# Altium PCB Evaluation Board.PcbDoc (part 16 of 22) (continued)
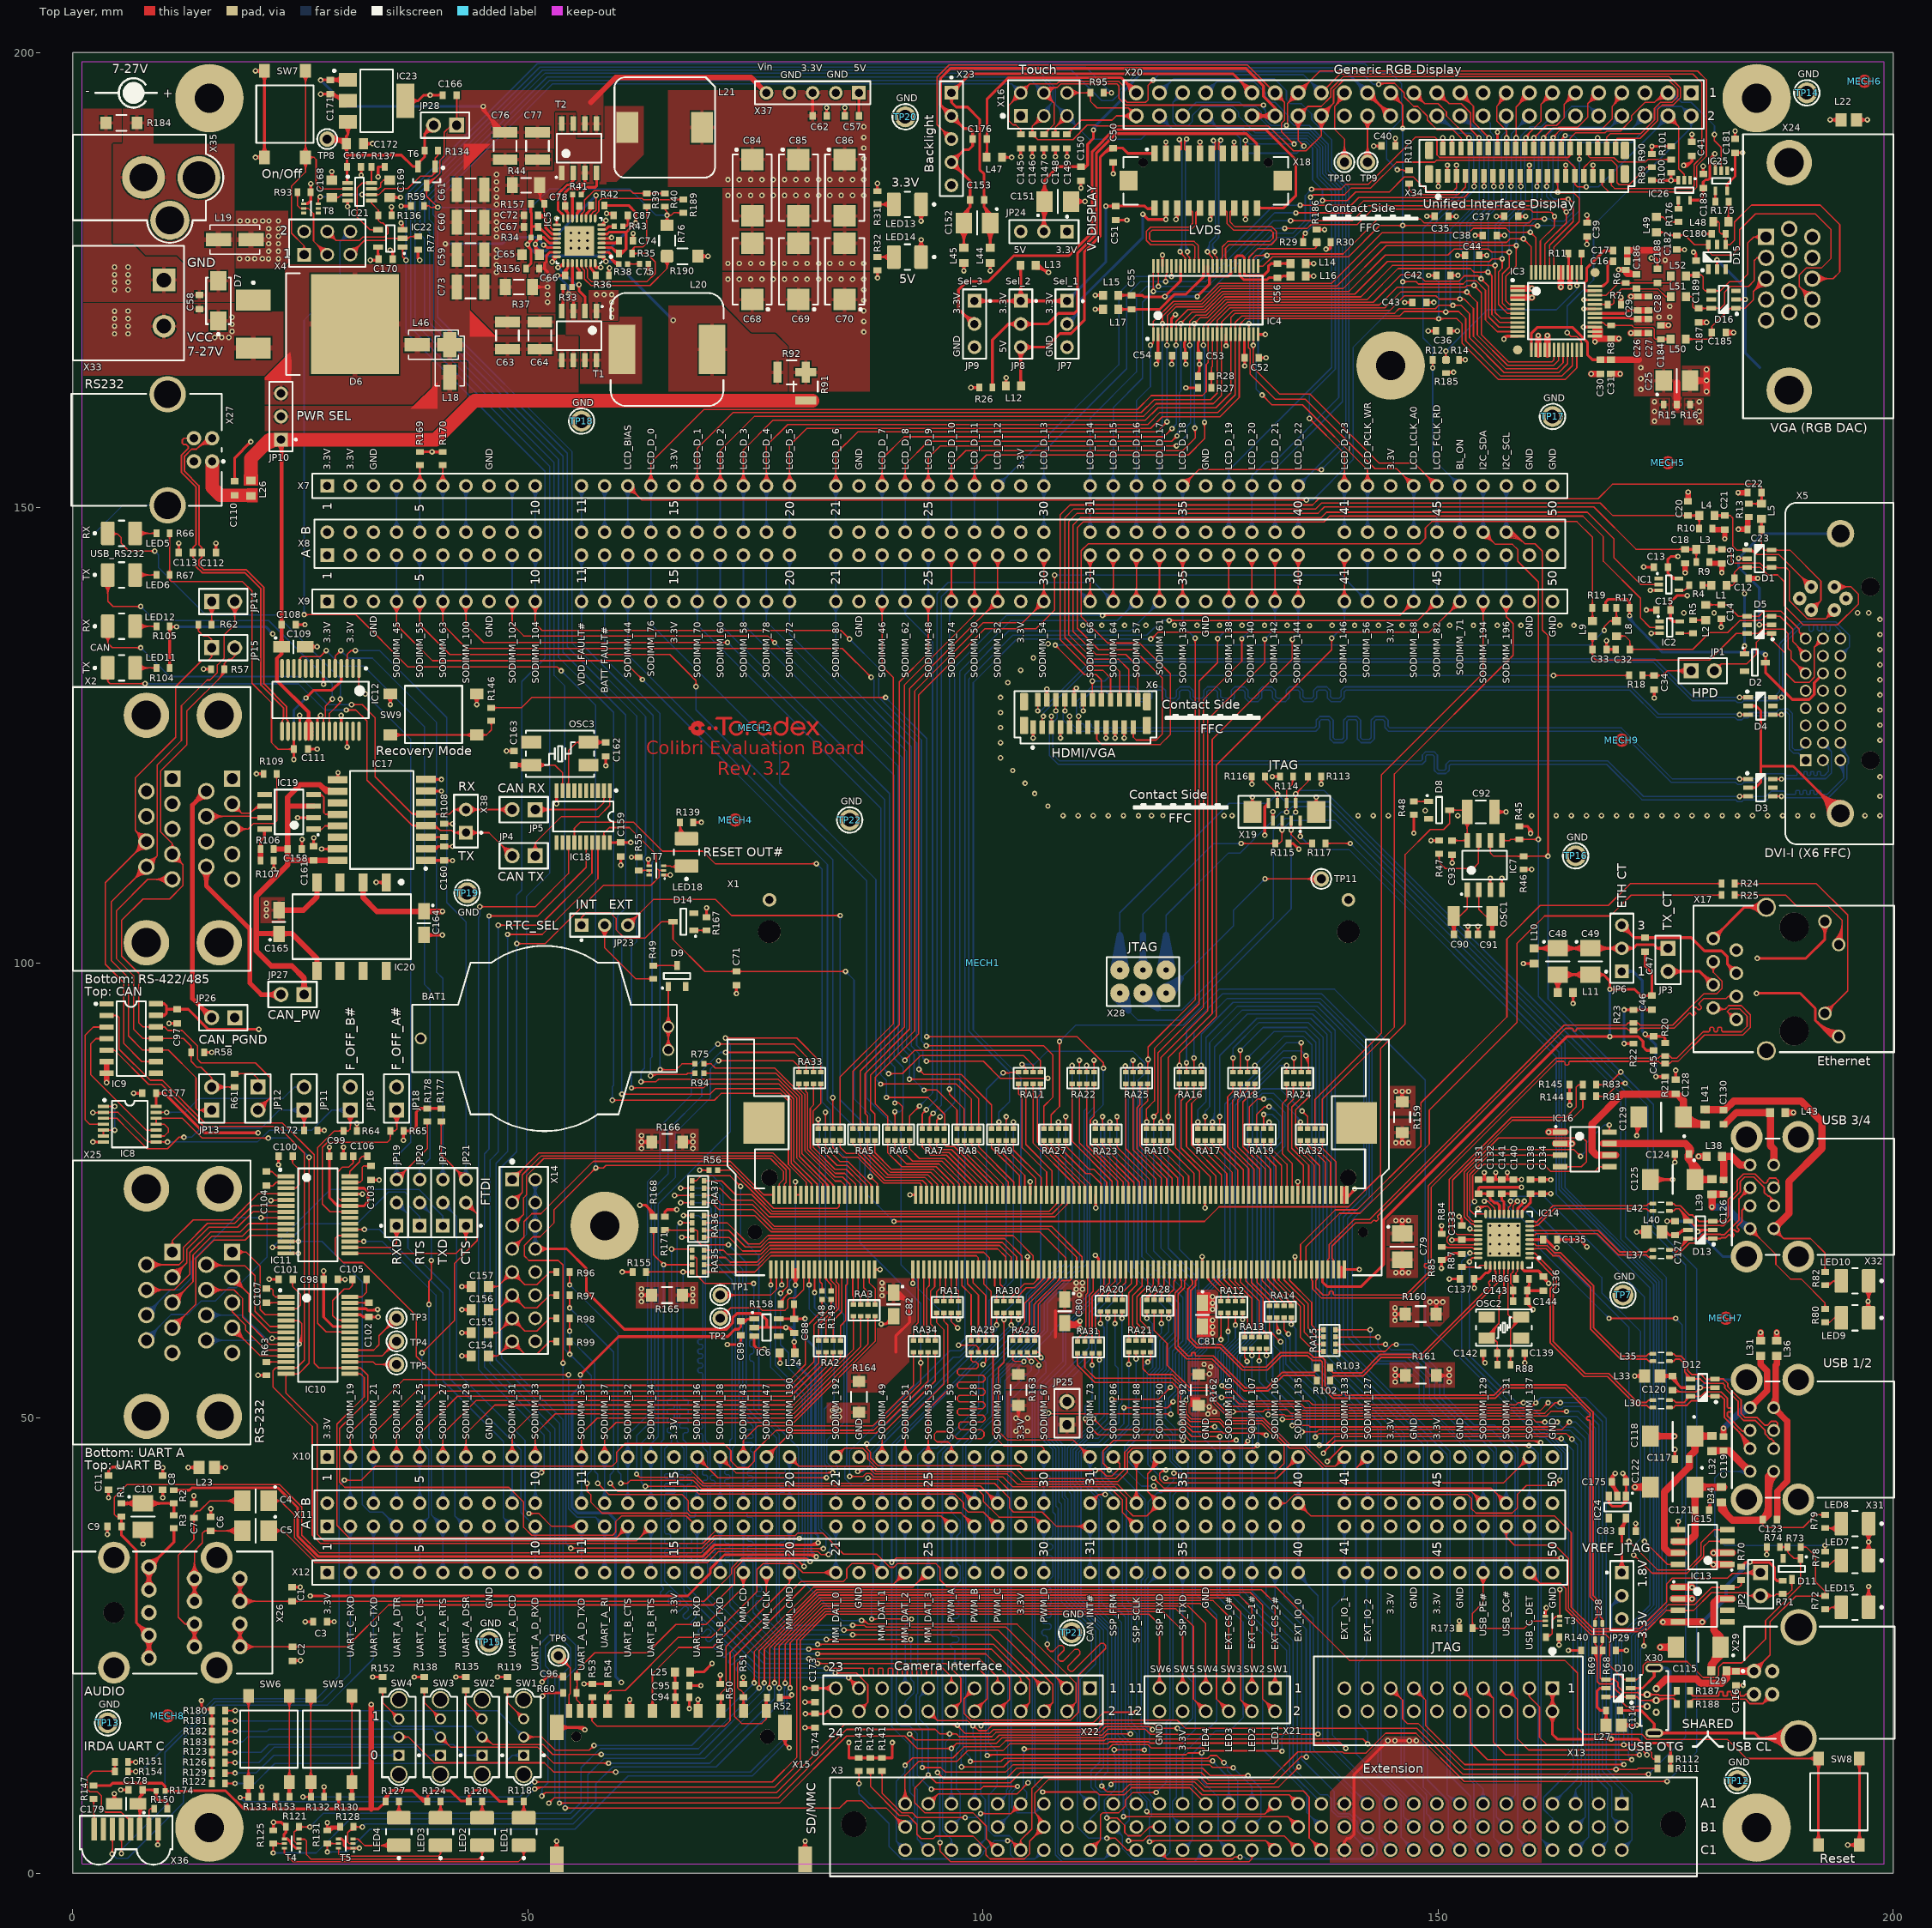
[diagram p0: Top Layer view]
## Nets (pads, with @x,y where several pads share a name; then routed paths per layer and width w, separated by ;. In a path a pad name is that pad's centre, name@x,y a point inside that pad or via, vN(x,y) a via of type N, cw(c..) or ccw(c..) an arc to the next point about the centre after c; other vN are vias at no path point) (continued)
SODIMM_60: RA6.7 X8.A17 X9.17 | length 91.6
  Top Layer w0.15: v1(90.297,84.607) 90.322,84.633 90.727,84.633 ; v1@90.469,84.753 ccw(c90.727,84.97) 90.727,84.633 ; v1@90.493,84.496 cw(c90.727,84.364) 90.727,84.633 ; RA6.7@90.986,81.916 ccw(c90.687,82.215) 91.11,82.215 ccw(c91.532,82.215) RA6.7@91.233,81.916 ; RA6.7@91.11,81.793 91.11,84.25 90.727,84.633
  Bottom Layer w0.15: X9.17@70.643,139.223 cw(c69.49,138.07) 71.12,138.07 cw(c72.75,138.07) X9.17@71.597,139.223 ; X9.17@70.643,140.177 ccw(c69.49,141.33) 71.12,141.33 ccw(c72.75,141.33) X9.17@71.597,140.177 ; X8.A17@70.643,144.303 cw(c69.49,143.15) 71.12,143.15 cw(c72.75,143.15) X8.A17@71.597,144.303 ; X9.17@70.749,139.329 cw(c69.853,138.433) 71.12,138.433 cw(c72.387,138.433) X9.17@71.491,139.329 ; X9.17@70.749,140.071 ccw(c69.853,140.967) 71.12,140.967 ccw(c72.387,140.967) X9.17@71.491,140.071 ; X8.A17@70.749,144.409 cw(c69.853,143.513) 71.12,143.513 cw(c72.387,143.513) X8.A17@71.491,144.409 ; X9.17@70.855,139.435 cw(c70.215,138.795) 71.12,138.795 cw(c72.025,138.795) X9.17@71.385,139.435 ; X9.17@70.855,139.965 ccw(c70.215,140.605) 71.12,140.605 ccw(c72.025,140.605) X9.17@71.385,139.965 ; X8.A17@70.855,144.515 cw(c70.215,143.875) 71.12,143.875 cw(c72.025,143.875) X8.A17@71.385,144.515 ; X8.A17@71.12,144.78 X9.17@71.12,139.7 71.12,137.185 89.7,118.605 89.7,89.15 90.3,88.55 90.3,84.61 v1(90.297,84.607) ; v1@90.138,84.766 ccw(c89.747,85.158) 90.3,85.158 ; 90.3,85.143 ccw(c90.833,85.143) v1@90.456,84.766
SODIMM_60_S: RA6.3 X1.60 | length 11.8
  Top Layer w0.15: RA6.3@90.986,80.369 cw(c90.687,80.07) 91.11,80.07 cw(c91.532,80.07) RA6.3@91.233,80.369 ; RA6.3@91.11,80.493 91.11,79.35 92.248,78.211 95.474,78.211 97.982,75.703 X1.60@97.982,74.516 ; X1.60@97.911,75.412 ccw(c97.741,75.583) 97.982,75.583 ccw(c98.223,75.583) X1.60@98.053,75.412
SODIMM_61: RA29.7 X8.A34 X9.34 | length 126.8
  Top Layer w0.15: v1(97.3,58) 99.201,58 99.492,57.709 RA29.7@99.492,57.222 ; v1@97.459,57.841 cw(c97.843,57.457) 97.843,58 cw(c97.843,58.543) v1@97.459,58.159 ; RA29.7@99.368,57.345 ccw(c99.07,57.644) 99.492,57.644 ccw(c99.914,57.644) RA29.7@99.616,57.345 ; X9.34@118.903,140.177 ccw(c117.75,141.33) 119.38,141.33 ccw(c121.01,141.33) X9.34@119.857,140.177 ; X8.A34@118.903,144.303 cw(c117.75,143.15) 119.38,143.15 cw(c121.01,143.15) X8.A34@119.857,144.303 ; X9.34@119.009,140.071 ccw(c118.113,140.967) 119.38,140.967 ccw(c120.647,140.967) X9.34@119.751,140.071 ; X8.A34@119.009,144.409 cw(c118.113,143.513) 119.38,143.513 cw(c120.647,143.513) X8.A34@119.751,144.409 ; X9.34@119.115,139.965 ccw(c118.475,140.605) 119.38,140.605 ccw(c120.285,140.605) X9.34@119.645,139.965 ; X8.A34@119.115,144.515 cw(c118.475,143.875) 119.38,143.875 cw(c120.285,143.875) X8.A34@119.645,144.515 ; X9.34@119.38,139.7 X8.A34@119.38,144.78
  Bottom Layer w0.15: v1(97.3,58) 98,58.7 98,131.65 102.825,136.475 116.183,136.475 X9.34@119.38,139.672 ; v1@97.3,58.225 ccw(c97.3,58.768) 97.684,58.384 ccw(c98.068,58) v1@97.525,58 ; 118.208,138.5 ccw(c117.007,139.7) X9.34@118.705,139.7 ; 118.276,138.568 cw(c119.38,137.463) X9.34@119.38,139.025 ; 118.464,138.756 ccw(c117.519,139.7) X9.34@118.855,139.7 ; 118.532,138.824 cw(c119.38,137.976) X9.34@119.38,139.175 ; 118.72,139.012 ccw(c118.032,139.7) X9.34@119.005,139.7 ; 118.788,139.08 cw(c119.38,138.488) X9.34@119.38,139.325
SODIMM_61_S: RA29.3 X1.61 | length 9.3
  Top Layer w0.15: X1.61@98.211,65.421 cw(c98.041,65.25) 98.282,65.25 cw(c98.523,65.25) X1.61@98.353,65.421 ; X1.61@98.282,66.316 98.282,64.735 99.492,63.525 RA29.3@99.492,58.522 ; RA29.3@99.368,58.645 ccw(c99.07,58.944) 99.492,58.944 ccw(c99.914,58.944) RA29.3@99.616,58.645
SODIMM_62: RA6.8 X8.A24 X9.24 | length 84.3
  Top Layer w0.15: RA6.8@91.786,81.916 ccw(c91.487,82.215) 91.91,82.215 ccw(c92.332,82.215) RA6.8@92.033,81.916 ; RA6.8@91.91,81.793 91.91,83.16 93.021,84.271 v1(93.025,84.271) ; 92.634,83.884 cw(c93.025,83.493) v1@93.025,84.046 ; 92.644,83.894 ccw(c92.266,84.271) v1@92.8,84.271
  Bottom Layer w0.15: X9.24@90.963,140.177 ccw(c89.81,141.33) 91.44,141.33 ccw(c93.07,141.33) X9.24@91.917,140.177 ; X8.A24@90.963,144.303 cw(c89.81,143.15) 91.44,143.15 cw(c93.07,143.15) X8.A24@91.917,144.303 ; X9.24@91.021,139.171 cw(c90.332,138.303) 91.44,138.303 ; X9.24@91.069,140.071 ccw(c90.173,140.967) 91.44,140.967 ccw(c92.707,140.967) X9.24@91.811,140.071 ; X8.A24@91.069,144.409 cw(c90.173,143.513) 91.44,143.513 cw(c92.707,143.513) X8.A24@91.811,144.409 ; X9.24@91.114,139.289 cw(c90.578,138.614) 91.44,138.614 cw(c92.302,138.614) X9.24@91.766,139.289 ; X9.24@91.175,139.965 ccw(c90.535,140.605) 91.44,140.605 ccw(c92.345,140.605) X9.24@91.705,139.965 ; X8.A24@91.175,144.515 cw(c90.535,143.875) 91.44,143.875 cw(c92.345,143.875) X8.A24@91.705,144.515 ; X9.24@91.207,139.406 cw(c90.824,138.924) 91.44,138.924 cw(c92.056,138.924) X9.24@91.673,139.406 ; X8.A24@91.44,144.78 X9.24@91.44,139.7 91.44,138.303 ; X9.24@91.859,139.171 ccw(c92.548,138.303) 91.44,138.303 ; v1(93.025,84.271) 94.45,85.696 94.45,135.293 91.44,138.303 ; v1@93.025,84.496 ccw(c93.025,85.039) 93.409,84.655 ccw(c93.793,84.271) v1@93.25,84.271
SODIMM_62_S: RA6.4 X1.62 | length 11.4
  Top Layer w0.15: RA6.4@91.786,80.369 cw(c91.487,80.07) 91.91,80.07 cw(c92.332,80.07) RA6.4@92.033,80.369 ; RA6.4@91.91,80.493 91.91,79.617 93.015,78.511 95.758,78.511 98.582,75.687 X1.62@98.582,74.516 ; X1.62@98.511,75.412 ccw(c98.341,75.583) 98.582,75.583 ccw(c98.823,75.583) X1.62@98.653,75.412
SODIMM_63: RA29.6 X8.A6 X9.6 | length 176.1
  Top Layer w0.15: X9.6@40.163,139.223 cw(c39.01,138.07) 40.64,138.07 cw(c42.27,138.07) X9.6@41.117,139.223 ; X9.6@40.269,139.329 cw(c39.373,138.433) 40.64,138.433 cw(c41.907,138.433) X9.6@41.011,139.329 ; X9.6@40.375,139.435 cw(c39.735,138.795) 40.64,138.795 cw(c41.545,138.795) X9.6@40.905,139.435 ; X9.6@40.64,139.7 40.64,137.16 43.25,134.55 84.525,134.55 v1(87.7,131.375) ; v1@87.475,131.375 ccw(c86.932,131.375) 87.316,131.759 ccw(c87.7,132.143) v1@87.7,131.6 ; v1(93.775,89.2) 100.025,89.2 101.9,87.325 v1(107.125,87.325) ; v1@93.934,89.041 cw(c94.318,88.657) 94.318,89.2 cw(c94.318,89.743) v1@93.934,89.359 ; v1(100,55.875) 100.292,56.167 ; v1@100.047,56.095 ccw(c100.104,56.355) 100.292,56.167 ; RA29.6@100.168,57.098 cw(c99.87,56.799) 100.292,56.799 cw(c100.714,56.799) RA29.6@100.416,57.098 ; v1@100.22,55.922 cw(c100.48,55.979) 100.292,56.167 ; RA29.6@100.292,57.222 100.292,56.167 ; v1@106.966,87.166 ccw(c106.582,86.782) 106.582,87.325 ccw(c106.582,87.868) v1@106.966,87.484
  Bottom Layer w0.15: X9.6@40.163,140.177 ccw(c39.01,141.33) 40.64,141.33 ccw(c42.27,141.33) X9.6@41.117,140.177 ; X8.A6@40.163,144.303 cw(c39.01,143.15) 40.64,143.15 cw(c42.27,143.15) X8.A6@41.117,144.303 ; X9.6@40.269,140.071 ccw(c39.373,140.967) 40.64,140.967 ccw(c41.907,140.967) X9.6@41.011,140.071 ; X8.A6@40.269,144.409 cw(c39.373,143.513) 40.64,143.513 cw(c41.907,143.513) X8.A6@41.011,144.409 ; X9.6@40.375,139.965 ccw(c39.735,140.605) 40.64,140.605 ccw(c41.545,140.605) X9.6@40.905,139.965 ; X8.A6@40.375,144.515 cw(c39.735,143.875) 40.64,143.875 cw(c41.545,143.875) X8.A6@40.905,144.515 ; X9.6@40.64,139.7 X8.A6@40.64,144.78 ; v1(87.7,131.375) 88,131.075 88,128.875 92.7,124.175 92.7,90.95 93.375,90.275 93.375,89.6 v1(93.775,89.2) ; v1@93.55,89.2 ccw(c93.007,89.2) 93.391,89.584 ccw(c93.775,89.968) v1@93.775,89.425 ; v1(100,55.875) 104.75,60.625 104.75,63.55 106.325,65.125 106.325,82.137 106.155,82.307 106.155,86.355 v1(107.125,87.325) ; v1@100,56.1 ccw(c100,56.643) 100.384,56.259 ccw(c100.768,55.875) v1@100.225,55.875 ; v1@106.9,87.325 cw(c106.357,87.325) 106.741,86.941 cw(c107.125,86.557) v1@107.125,87.1
SODIMM_63_S: RA29.2 X1.63 | length 9.4
  Top Layer w0.15: X1.63@98.811,65.421 cw(c98.641,65.25) 98.882,65.25 cw(c99.123,65.25) X1.63@98.953,65.421 ; X1.63@98.882,66.316 98.882,64.872 100.292,63.462 RA29.2@100.292,58.522 ; RA29.2@100.168,58.645 ccw(c99.87,58.944) 100.292,58.944 ccw(c100.714,58.944) RA29.2@100.416,58.645
SODIMM_64: RA7.5 X8.A32 X9.32 | length 105.6
  Top Layer w0.15: RA7.5@93.196,81.916 ccw(c92.897,82.215) 93.32,82.215 ccw(c93.742,82.215) RA7.5@93.443,81.916 ; RA7.5@93.32,81.793 93.32,83.42 v1(93.775,83.875) ; v1@93.55,83.875 cw(c93.007,83.875) 93.391,83.491 cw(c93.775,83.107) v1@93.775,83.65 ; X9.32@113.823,140.177 ccw(c112.67,141.33) 114.3,141.33 ccw(c115.93,141.33) X9.32@114.777,140.177 ; X8.A32@113.823,144.303 cw(c112.67,143.15) 114.3,143.15 cw(c115.93,143.15) X8.A32@114.777,144.303 ; X9.32@113.929,140.071 ccw(c113.033,140.967) 114.3,140.967 ccw(c115.567,140.967) X9.32@114.671,140.071 ; X8.A32@113.929,144.409 cw(c113.033,143.513) 114.3,143.513 cw(c115.567,143.513) X8.A32@114.671,144.409 ; X9.32@114.035,139.965 ccw(c113.395,140.605) 114.3,140.605 ccw(c115.205,140.605) X9.32@114.565,139.965 ; X8.A32@114.035,144.515 cw(c113.395,143.875) 114.3,143.875 cw(c115.205,143.875) X8.A32@114.565,144.515 ; X9.32@114.3,139.7 X8.A32@114.3,144.78
  Bottom Layer w0.15: v1(93.775,83.875) 94.955,85.055 94.955,140.58 96.175,141.8 112.2,141.8 X9.32@114.3,139.7 ; v1@93.775,84.1 ccw(c93.775,84.643) 94.159,84.259 ccw(c94.543,83.875) v1@94,83.875 ; X9.32@113.625,139.7 ccw(c111.995,139.7) 113.148,140.852 ccw(c114.3,142.005) X9.32@114.3,140.375 ; X9.32@113.775,139.7 ccw(c112.508,139.7) 113.404,140.596 ccw(c114.3,141.492) X9.32@114.3,140.225 ; X9.32@113.925,139.7 ccw(c113.02,139.7) 113.66,140.34 ccw(c114.3,140.98) X9.32@114.3,140.075
SODIMM_64_S: RA7.1 X1.64 | length 10.5
  Top Layer w0.15: RA7.1@93.196,80.369 cw(c92.897,80.07) 93.32,80.07 cw(c93.742,80.07) RA7.1@93.443,80.369 ; RA7.1@93.32,80.493 93.32,79.756 94.209,78.867 95.987,78.867 99.182,75.672 X1.64@99.182,74.516 ; X1.64@99.111,75.412 ccw(c98.941,75.583) 99.182,75.583 ccw(c99.423,75.583) X1.64@99.253,75.412
SODIMM_65_S: RA35.1 X1.65 | length 33.3
  Top Layer w0.15: RA35.1@69.342,66.04 74.905,66.04 76.69,67.825 99.256,67.825 99.482,67.599 X1.65@99.482,66.316 ; RA35.1@69.466,65.916 cw(c69.764,65.618) 69.764,66.04 cw(c69.764,66.462) RA35.1@69.466,66.164 ; X1.65@99.411,67.212 ccw(c99.241,67.383) 99.482,67.383 ccw(c99.723,67.383) X1.65@99.553,67.212
SODIMM_66: RA7.6 X8.A31 X9.31 | length 101.6
  Top Layer w0.15: RA7.6@93.996,81.916 ccw(c93.697,82.215) 94.12,82.215 ccw(c94.542,82.215) RA7.6@94.243,81.916 ; RA7.6@94.12,81.793 94.12,83.074 v1(94.525,83.479) ; v1@94.3,83.479 cw(c93.757,83.479) 94.141,83.095 cw(c94.525,82.711) v1@94.525,83.254 ; X9.31@111.283,140.177 ccw(c110.13,141.33) 111.76,141.33 ccw(c113.39,141.33) X9.31@112.237,140.177 ; X8.A31@111.283,144.303 cw(c110.13,143.15) 111.76,143.15 cw(c113.39,143.15) X8.A31@112.237,144.303 ; X9.31@111.389,140.071 ccw(c110.493,140.967) 111.76,140.967 ccw(c113.027,140.967) X9.31@112.131,140.071 ; X8.A31@111.389,144.409 cw(c110.493,143.513) 111.76,143.513 cw(c113.027,143.513) X8.A31@112.131,144.409 ; X9.31@111.495,139.965 ccw(c110.855,140.605) 111.76,140.605 ccw(c112.665,140.605) X9.31@112.025,139.965 ; X8.A31@111.495,144.515 cw(c110.855,143.875) 111.76,143.875 cw(c112.665,143.875) X8.A31@112.025,144.515 ; X9.31@111.76,139.7 X8.A31@111.76,144.78
  Bottom Layer w0.15: v1(94.525,83.479) 95.425,84.379 95.425,140.225 96.25,141.05 110.41,141.05 X9.31@111.76,139.7 ; v1@94.525,83.704 ccw(c94.525,84.247) 94.909,83.863 ccw(c95.293,83.479) v1@94.75,83.479 ; X9.31@111.085,139.7 ccw(c109.455,139.7) 110.608,140.852 ccw(c111.76,142.005) X9.31@111.76,140.375 ; X9.31@111.235,139.7 ccw(c109.968,139.7) 110.864,140.596 ccw(c111.76,141.492) X9.31@111.76,140.225 ; X9.31@111.385,139.7 ccw(c110.48,139.7) 111.12,140.34 ccw(c111.76,140.98) X9.31@111.76,140.075
SODIMM_66_S: RA7.2 X1.66 | length 10.2
  Top Layer w0.15: RA7.2@93.996,80.369 cw(c93.697,80.07) 94.12,80.07 cw(c94.542,80.07) RA7.2@94.243,80.369 ; RA7.2@94.12,80.493 94.12,79.87 94.818,79.172 96.266,79.172 99.782,75.656 X1.66@99.782,74.516 ; X1.66@99.711,75.412 ccw(c99.541,75.583) 99.782,75.583 ccw(c100.023,75.583) X1.66@99.853,75.412
SODIMM_67: RA29.5 X10.30 X11.B30 X22.11 | length 109.4
  Top Layer w0.15: X22.11@98.385,20.316 cw(c96.787,20.307) 97.917,19.177 ; X22.11@98.535,20.317 cw(c97.292,20.31) 98.171,19.431 cw(c99.05,18.552) X22.11@99.057,19.795 ; X22.11@98.685,20.318 cw(c97.797,20.313) 98.425,19.685 cw(c99.053,19.057) X22.11@99.058,19.945 ; X22.11@99.056,19.645 ccw(c99.047,18.047) 97.917,19.177 ; X22.11@99.06,20.32 97.917,19.177 ; RA29.5@100.968,57.098 cw(c100.67,56.799) 101.092,56.799 cw(c101.514,56.799) RA29.5@101.216,57.098 ; RA29.5@101.092,57.222 101.092,48.133 102.275,46.95 106.39,46.95 106.68,46.66 ; X10.30@106.464,46.36 ccw(c106.363,46.66) 106.68,46.66 ; X10.30@106.68,45.72 106.68,46.66 ; X10.30@106.896,46.36 cw(c106.997,46.66) 106.68,46.66 ; v1@106.924,24.968 cw(c106.709,24.689) 107.061,24.689 ; v1(107.061,25.146) 107.061,24.689 ; v1@107.198,24.968 ccw(c107.413,24.689) 107.061,24.689 ; 97.917,19.177 97.917,17.544 98.656,16.805 109.624,16.805 110.495,17.676 110.495,21.727 113.459,24.691 113.459,25.018 113.241,25.236 112.915,25.236 109.878,22.199 109.551,22.199 109.333,22.417 109.333,22.743 110.647,24.057 110.647,24.384 110.429,24.601 110.102,24.601 108.789,23.288 108.462,23.288 108.244,23.506 108.244,23.832 108.894,24.482 108.894,24.808 108.676,25.026 108.349,25.026 107.7,24.377 107.373,24.377 107.061,24.689
  Bottom Layer w0.15: X11.B30@106.203,41.117 ccw(c105.05,42.27) 106.68,42.27 ccw(c108.31,42.27) X11.B30@107.157,41.117 ; X10.30@106.215,45.231 cw(c105.181,44.145) 106.68,44.145 cw(c108.179,44.145) X10.30@107.145,45.231 ; X11.B30@106.309,41.011 ccw(c105.413,41.907) 106.68,41.907 ccw(c107.947,41.907) X11.B30@107.051,41.011 ; X10.30@106.318,45.34 cw(c105.514,44.495) 106.68,44.495 cw(c107.846,44.495) X10.30@107.042,45.34 ; X11.B30@106.346,40.053 cw(c106.019,39.479) 106.68,39.479 ; X11.B30@106.415,40.905 ccw(c105.775,41.545) 106.68,41.545 ccw(c107.585,41.545) X11.B30@106.945,40.905 ; X11.B30@106.42,40.184 cw(c106.166,39.737) 106.68,39.737 cw(c107.194,39.737) X11.B30@106.94,40.184 ; X10.30@106.421,45.448 cw(c105.847,44.845) 106.68,44.845 cw(c107.513,44.845) X10.30@106.939,45.448 ; X10.30@106.68,45.72 106.68,43.953 106.872,43.76 107.163,43.76 107.355,43.568 107.355,43.183 107.163,42.99 106.872,42.99 106.68,42.798 X11.B30@106.68,40.64 106.68,39.479 ; v1@106.902,25.305 ccw(c106.518,25.689) 107.061,25.689 ccw(c107.604,25.689) v1@107.22,25.305 ; X11.B30@107.014,40.053 ccw(c107.341,39.479) 106.68,39.479 ; v1(107.061,25.146) 107.061,25.907 106.863,26.105 106.665,26.105 106.467,26.303 106.467,26.567 106.665,26.765 107.29,26.765 107.488,26.963 107.488,27.227 107.29,27.425 106.665,27.425 106.467,27.623 106.467,27.887 106.665,28.085 107.29,28.085 107.488,28.283 107.488,28.547 107.29,28.745 106.665,28.745 106.467,28.943 106.467,29.207 106.665,29.405 107.29,29.405 107.488,29.603 107.488,29.867 107.29,30.065 106.665,30.065 106.467,30.263 106.467,30.527 106.665,30.725 107.29,30.725 107.488,30.923 107.488,31.187 107.061,31.614 107.061,32.022 107.655,32.616 107.655,34.678 107.457,34.876 107.259,34.876 107.061,35.074 107.061,35.338 107.259,35.536 107.457,35.536 107.655,35.734 107.655,35.998 107.457,36.196 107.259,36.196 107.061,36.394 107.061,36.658 107.259,36.856 107.457,36.856 107.655,37.054 107.655,38.504 106.68,39.479
SODIMM_67_S: RA29.1 X1.67 | length 9.3
  Top Layer w0.15: X1.67@100.011,65.421 cw(c99.841,65.25) 100.082,65.25 cw(c100.323,65.25) X1.67@100.153,65.421 ; X1.67@100.082,66.316 100.082,64.713 100.889,63.906 100.889,59.512 101.092,59.309 RA29.1@101.092,58.522 ; RA29.1@100.968,58.645 ccw(c100.67,58.944) 101.092,58.944 ccw(c101.514,58.944) RA29.1@101.216,58.645
SODIMM_68: RA7.7 X8.A44 X9.44 | length 131.9
  Top Layer w0.15: RA7.7@94.796,81.916 ccw(c94.497,82.215) 94.92,82.215 ccw(c95.342,82.215) RA7.7@95.043,81.916 ; RA7.7@94.92,81.793 94.92,82.728 ; v1@95.051,83.071 cw(c94.601,83.046) 94.92,82.728 ; v1@95.263,82.859 ccw(c95.238,82.409) 94.92,82.728 ; v1(95.275,83.083) 94.92,82.728 ; v1(113.125,138.175) 145.795,138.175 X9.44@147.32,139.7 ; v1@113.284,138.016 cw(c113.668,137.632) 113.668,138.175 cw(c113.668,138.718) v1@113.284,138.334 ; X9.44@146.645,139.7 cw(c145.015,139.7) 146.168,138.548 cw(c147.32,137.395) X9.44@147.32,139.025 ; X9.44@146.795,139.7 cw(c145.528,139.7) 146.424,138.804 cw(c147.32,137.908) X9.44@147.32,139.175 ; X9.44@146.945,139.7 cw(c146.04,139.7) 146.68,139.06 cw(c147.32,138.42) X9.44@147.32,139.325
  Bottom Layer w0.15: v1(95.275,83.083) 96.875,84.683 96.875,132.5 102.55,138.175 v1(113.125,138.175) ; v1@95.275,83.308 ccw(c95.275,83.852) 95.66,83.468 ccw(c96.044,83.083) v1@95.5,83.083 ; v1@112.966,138.016 ccw(c112.582,137.632) 112.582,138.175 ccw(c112.582,138.718) v1@112.966,138.334 ; X9.44@146.843,140.177 ccw(c145.69,141.33) 147.32,141.33 ccw(c148.95,141.33) X9.44@147.797,140.177 ; X8.A44@146.843,144.303 cw(c145.69,143.15) 147.32,143.15 cw(c148.95,143.15) X8.A44@147.797,144.303 ; X9.44@146.949,140.071 ccw(c146.053,140.967) 147.32,140.967 ccw(c148.587,140.967) X9.44@147.691,140.071 ; X8.A44@146.949,144.409 cw(c146.053,143.513) 147.32,143.513 cw(c148.587,143.513) X8.A44@147.691,144.409 ; X9.44@147.055,139.965 ccw(c146.415,140.605) 147.32,140.605 ccw(c148.225,140.605) X9.44@147.585,139.965 ; X8.A44@147.055,144.515 cw(c146.415,143.875) 147.32,143.875 cw(c148.225,143.875) X8.A44@147.585,144.515 ; X9.44@147.32,139.7 X8.A44@147.32,144.78
SODIMM_68_S: RA7.3 X1.68 | length 10.1
  Top Layer w0.15: RA7.3@94.796,80.369 cw(c94.497,80.07) 94.92,80.07 cw(c95.342,80.07) RA7.3@95.043,80.369 ; RA7.3@94.92,80.493 94.92,79.807 95.225,79.502 96.545,79.502 100.382,75.665 X1.68@100.382,74.516 ; X1.68@100.311,75.412 ccw(c100.141,75.583) 100.382,75.583 ccw(c100.623,75.583) X1.68@100.453,75.412
SODIMM_69_S: RA35.2 X1.69 | length 34.5
  Top Layer w0.15: RA35.2@69.342,66.84 69.357,66.825 75.265,66.825 76.642,68.202 100.076,68.202 100.682,67.596 X1.69@100.682,66.316 ; RA35.2@69.466,66.716 cw(c69.728,66.454) 69.728,66.825 ; RA35.2@69.466,66.964 ccw(c69.801,67.299) 69.801,66.825 ; X1.69@100.611,67.212 ccw(c100.441,67.383) 100.682,67.383 ccw(c100.923,67.383) X1.69@100.753,67.212
SODIMM_70: RA7.8 X8.A16 X9.16 | length 97.4
  Top Layer w0.15: v1(89.383,85.217) 93.935,85.217 95.8,83.352 95.8,81.746 RA7.8@95.72,81.666 ; v1@89.542,85.058 cw(c89.926,84.674) 89.926,85.217 cw(c89.926,85.76) v1@89.542,85.376 ; RA7.8@95.646,81.916 ccw(c95.273,82.29) 95.8,82.29 ; 95.8,82.141 ccw(c96.118,82.141) RA7.8@95.893,81.916
  Bottom Layer w0.15: X9.16@68.103,139.223 cw(c66.95,138.07) 68.58,138.07 cw(c70.21,138.07) X9.16@69.057,139.223 ; X9.16@68.103,140.177 ccw(c66.95,141.33) 68.58,141.33 ccw(c70.21,141.33) X9.16@69.057,140.177 ; X8.A16@68.103,144.303 cw(c66.95,143.15) 68.58,143.15 cw(c70.21,143.15) X8.A16@69.057,144.303 ; X9.16@68.209,139.329 cw(c67.313,138.433) 68.58,138.433 cw(c69.847,138.433) X9.16@68.951,139.329 ; X9.16@68.209,140.071 ccw(c67.313,140.967) 68.58,140.967 ccw(c69.847,140.967) X9.16@68.951,140.071 ; X8.A16@68.209,144.409 cw(c67.313,143.513) 68.58,143.513 cw(c69.847,143.513) X8.A16@68.951,144.409 ; X9.16@68.315,139.435 cw(c67.675,138.795) 68.58,138.795 cw(c69.485,138.795) X9.16@68.845,139.435 ; X9.16@68.315,139.965 ccw(c67.675,140.605) 68.58,140.605 ccw(c69.485,140.605) X9.16@68.845,139.965 ; X8.A16@68.315,144.515 cw(c67.675,143.875) 68.58,143.875 cw(c69.485,143.875) X8.A16@68.845,144.515 ; X8.A16@68.58,144.78 X9.16@68.58,139.7 68.58,137.185 88.75,117.015 88.75,87.725 89.383,87.092 v1(89.383,85.217) ; v1@89.224,85.376 ccw(c88.839,85.76) 89.383,85.76 ccw(c89.926,85.76) v1@89.542,85.376
SODIMM_70_S: RA7.4 X1.70 | length 9.7
  Top Layer w0.15: RA7.4@95.597,80.368 cw(c95.306,80.074) 95.72,80.074 ; RA7.4@95.72,80.493 95.72,80.074 ; RA7.4@95.843,80.368 ccw(c96.133,80.074) 95.72,80.074 ; X1.70@100.911,75.412 ccw(c100.741,75.583) 100.982,75.583 ccw(c101.223,75.583) X1.70@101.053,75.412 ; X1.70@100.982,74.516 100.982,75.675 96.825,79.832 95.961,79.832 95.72,80.074
SODIMM_71: RA30.8 X8.A46 X9.46 X22.17 | length 220.1
  Top Layer w0.15: v1(87.75,27.915) v1(92.126,27.915) ; v1@87.909,27.756 cw(c88.293,27.371) 88.293,27.915 cw(c88.293,28.458) v1@87.909,28.074 ; v1@91.967,27.756 ccw(c91.583,27.371) 91.583,27.915 ccw(c91.583,28.458) v1@91.967,28.074 ; v1@101.327,60.382 ccw(c100.943,60.767) 101.486,60.767 ccw(c102.029,60.767) v1@101.645,60.382 ; RA30.8@101.362,61.416 cw(c101.064,61.117) 101.486,61.117 cw(c101.908,61.117) RA30.8@101.61,61.416 ; v1(101.486,60.223) RA30.8@101.486,61.54 ; v1(118.425,135.575) 118.5,135.575 119.272,136.347 149.047,136.347 X9.46@152.4,139.7 ; v1@118.425,135.65 ccw(c118.425,136.012) 118.681,135.756 ; v1@118.425,135.8 ccw(c118.425,136.524) 118.937,136.012 ; v1@118.65,135.575 cw(c119.012,135.575) 118.756,135.831 ; X9.46@151.725,139.7 cw(c150.095,139.7) 151.248,138.548 cw(c152.4,137.395) X9.46@152.4,139.025 ; X9.46@151.875,139.7 cw(c150.608,139.7) 151.504,138.804 cw(c152.4,137.908) X9.46@152.4,139.175 ; X9.46@152.025,139.7 cw(c151.12,139.7) 151.76,139.06 cw(c152.4,138.42) X9.46@152.4,139.325
  Bottom Layer w0.15: v1@87.591,28.074 ccw(c87.207,28.458) 87.75,28.458 ccw(c88.293,28.458) v1@87.909,28.074 ; v1(87.75,27.915) 87.75,30.97 87.925,31.145 87.925,46.124 101.486,59.685 ; X22.17@90.963,20.797 ccw(c89.81,21.95) 91.44,21.95 ccw(c93.07,21.95) X22.17@91.917,20.797 ; X22.17@91.069,20.691 ccw(c90.173,21.587) 91.44,21.587 ccw(c92.707,21.587) X22.17@91.811,20.691 ; X22.17@91.175,20.585 ccw(c90.535,21.225) 91.44,21.225 ccw(c92.345,21.225) X22.17@91.705,20.585 ; X22.17@91.44,20.32 91.44,27.229 v1(92.126,27.915) ; v1@91.901,27.915 cw(c91.358,27.915) 91.742,27.531 cw(c92.126,27.146) v1@92.126,27.69 ; v1@101.328,60.063 cw(c100.954,59.685) 101.486,59.685 ; v1@101.33,60.386 ccw(c100.982,60.75) 101.486,60.75 ; v1@101.642,60.386 cw(c101.99,60.75) 101.486,60.75 ; v1@101.644,60.063 ccw(c102.018,59.685) 101.486,59.685 ; v1@118.266,135.416 ccw(c117.882,135.032) 117.882,135.575 ccw(c117.882,136.118) v1@118.266,135.734 ; v1(118.425,135.575) 103.7,135.575 98.924,130.799 98.924,92.626 104.155,87.395 104.155,63.42 101.486,60.75 ; X9.46@151.923,140.177 ccw(c150.77,141.33) 152.4,141.33 ccw(c154.03,141.33) X9.46@152.877,140.177 ; X8.A46@151.923,144.303 cw(c150.77,143.15) 152.4,143.15 cw(c154.03,143.15) X8.A46@152.877,144.303 ; X9.46@152.029,140.071 ccw(c151.133,140.967) 152.4,140.967 ccw(c153.667,140.967) X9.46@152.771,140.071 ; X8.A46@152.029,144.409 cw(c151.133,143.513) 152.4,143.513 cw(c153.667,143.513) X8.A46@152.771,144.409 ; X9.46@152.135,139.965 ccw(c151.495,140.605) 152.4,140.605 ccw(c153.305,140.605) X9.46@152.665,139.965 ; X8.A46@152.135,144.515 cw(c151.495,143.875) 152.4,143.875 cw(c153.305,143.875) X8.A46@152.665,144.515 ; X9.46@152.4,139.7 X8.A46@152.4,144.78 ; 101.486,59.685 v1(101.486,60.223) 101.486,60.75
SODIMM_71_S: RA30.4 X1.71 | length 4.6
  Top Layer w0.15: X1.71@101.211,65.421 cw(c101.041,65.25) 101.282,65.25 cw(c101.523,65.25) X1.71@101.353,65.421 ; X1.71@101.282,66.316 101.282,64.504 101.486,64.3 RA30.4@101.486,62.84 ; RA30.4@101.362,62.963 ccw(c101.064,63.262) 101.486,63.262 ccw(c101.908,63.262) RA30.4@101.61,62.963
SODIMM_72: RA8.5 X8.A20 X9.20 | length 91.7
  Top Layer w0.15: v1(93.5,86.025) 94.95,86.025 97.13,83.845 RA8.5@97.13,81.793 ; v1@93.659,85.866 cw(c94.043,85.482) 94.043,86.025 cw(c94.043,86.568) v1@93.659,86.184 ; RA8.5@97.006,81.916 ccw(c96.707,82.215) 97.13,82.215 ccw(c97.552,82.215) RA8.5@97.253,81.916
  Bottom Layer w0.15: X9.20@78.263,139.223 cw(c77.11,138.07) 78.74,138.07 cw(c80.37,138.07) X9.20@79.217,139.223 ; X9.20@78.263,140.177 ccw(c77.11,141.33) 78.74,141.33 ccw(c80.37,141.33) X9.20@79.217,140.177 ; X8.A20@78.263,144.303 cw(c77.11,143.15) 78.74,143.15 cw(c80.37,143.15) X8.A20@79.217,144.303 ; X9.20@78.369,139.329 cw(c77.473,138.433) 78.74,138.433 cw(c80.007,138.433) X9.20@79.111,139.329 ; X9.20@78.369,140.071 ccw(c77.473,140.967) 78.74,140.967 ccw(c80.007,140.967) X9.20@79.111,140.071 ; X8.A20@78.369,144.409 cw(c77.473,143.513) 78.74,143.513 cw(c80.007,143.513) X8.A20@79.111,144.409 ; X9.20@78.475,139.435 cw(c77.835,138.795) 78.74,138.795 cw(c79.645,138.795) X9.20@79.005,139.435 ; X9.20@78.475,139.965 ccw(c77.835,140.605) 78.74,140.605 ccw(c79.645,140.605) X9.20@79.005,139.965 ; X8.A20@78.475,144.515 cw(c77.835,143.875) 78.74,143.875 cw(c79.645,143.875) X8.A20@79.005,144.515 ; X8.A20@78.74,144.78 X9.20@78.74,139.7 78.74,136.11 91.6,123.25 91.6,90.75 92.422,89.928 92.422,87.103 v1(93.5,86.025) ; v1@93.275,86.025 ccw(c92.732,86.025) 93.116,86.409 ccw(c93.5,86.793) v1@93.5,86.25
SODIMM_72_S: RA8.1 X1.72 | length 8.9
  Top Layer w0.15: RA8.1@97.006,80.369 cw(c96.707,80.07) 97.13,80.07 cw(c97.552,80.07) RA8.1@97.253,80.369 ; RA8.1@97.13,80.493 97.13,80.061 101.582,75.608 X1.72@101.582,74.516 ; X1.72@101.511,75.412 ccw(c101.341,75.583) 101.582,75.583 ccw(c101.823,75.583) X1.72@101.653,75.412
SODIMM_73: RA30.7 X10.31 X11.B31 | length 51
  Top Layer w0.15: v1@102.127,60.649 cw(c101.743,60.264) 102.286,60.264 cw(c102.829,60.264) v1@102.445,60.649 ; RA30.7@102.162,61.416 cw(c101.864,61.117) 102.286,61.117 cw(c102.708,61.117) RA30.7@102.41,61.416 ; RA30.7@102.286,61.54 v1(102.286,60.808) 102.286,56.109 101.676,55.499 101.676,48.549 102.625,47.6 109.88,47.6 X10.31@111.76,45.72 ; X10.31@111.085,45.72 ccw(c109.455,45.72) 110.608,46.872 ccw(c111.76,48.025) X10.31@111.76,46.395 ; X10.31@111.235,45.72 ccw(c109.968,45.72) 110.864,46.616 ccw(c111.76,47.512) X10.31@111.76,46.245 ; X10.31@111.385,45.72 ccw(c110.48,45.72) 111.12,46.36 ccw(c111.76,47) X10.31@111.76,46.095 ; X11.B31@111.76,40.64 112.725,41.605 ; X11.B31@111.81,41.012 ccw(c111.887,41.586) 112.296,41.176 ccw(c112.706,40.767) X11.B31@112.132,40.69 ; X11.B31@111.83,41.16 ccw(c111.937,41.964) 112.511,41.391 ccw(c113.084,40.817) X11.B31@112.28,40.71 ; X11.B31@111.85,41.309 ccw(c111.988,42.342) 112.725,41.605 ; X11.B31@112.429,40.73 cw(c113.462,40.868) 112.725,41.605 ; v1@113.252,41.446 ccw(c112.868,41.062) 112.868,41.605 ccw(c112.868,42.148) v1@113.252,41.764 ; v1(113.411,41.605) 112.725,41.605
  Bottom Layer w0.15: X10.31@111.283,45.243 cw(c110.171,44.131) 111.743,44.131 ; X10.31@111.389,45.349 cw(c110.534,44.494) 111.743,44.494 ; X10.31@111.495,45.455 cw(c110.896,44.856) 111.743,44.856 ; 111.743,44.049 cw(c113.431,44.049) X10.31@112.237,45.243 ; 111.743,44.411 cw(c113.069,44.411) X10.31@112.131,45.349 ; 111.743,44.774 cw(c112.706,44.774) X10.31@112.025,45.455 ; X10.31@111.76,45.72 111.743,45.703 111.743,43.273 v1(113.411,41.605) ; v1@113.186,41.605 ccw(c112.643,41.605) 113.027,41.989 ccw(c113.411,42.373) v1@113.411,41.83
SODIMM_73_S: RA30.3 X1.73 | length 4.7
  Top Layer w0.15: X1.73@101.811,65.421 cw(c101.641,65.25) 101.882,65.25 cw(c102.123,65.25) X1.73@101.953,65.421 ; X1.73@101.882,66.316 101.882,64.691 102.26,64.313 102.26,62.865 RA30.3@102.286,62.84 ; RA30.3@102.112,62.963 ccw(c101.755,63.321) 102.26,63.321 ; 102.26,63.203 ccw(c102.6,63.203) RA30.3@102.36,62.963
SODIMM_74: RA8.6 X8.A26 X9.26 | length 84.9
  Top Layer w0.15: X9.26@96.043,140.177 ccw(c94.89,141.33) 96.52,141.33 ccw(c98.15,141.33) X9.26@96.997,140.177 ; X8.A26@96.043,144.303 cw(c94.89,143.15) 96.52,143.15 cw(c98.15,143.15) X8.A26@96.997,144.303 ; v1@96.141,85.991 cw(c95.757,85.607) 96.3,85.607 cw(c96.843,85.607) v1@96.459,85.991 ; X9.26@96.149,140.071 ccw(c95.253,140.967) 96.52,140.967 ccw(c97.787,140.967) X9.26@96.891,140.071 ; X8.A26@96.149,144.409 cw(c95.253,143.513) 96.52,143.513 cw(c97.787,143.513) X8.A26@96.891,144.409 ; X9.26@96.255,139.965 ccw(c95.615,140.605) 96.52,140.605 ccw(c97.425,140.605) X9.26@96.785,139.965 ; X8.A26@96.255,144.515 cw(c95.615,143.875) 96.52,143.875 cw(c97.425,143.875) X8.A26@96.785,144.515 ; v1(96.3,86.15) 96.3,85.575 97.93,83.945 RA8.6@97.93,81.793 ; X9.26@96.52,139.7 X8.A26@96.52,144.78 ; RA8.6@97.806,81.916 ccw(c97.507,82.215) 97.93,82.215 ccw(c98.352,82.215) RA8.6@98.053,81.916
  Bottom Layer w0.15: X9.26@96.043,139.223 cw(c95.422,138.602) 96.3,138.602 ; v1@96.141,86.309 ccw(c95.757,86.693) 96.3,86.693 ccw(c96.843,86.693) v1@96.459,86.309 ; X9.26@96.149,139.329 cw(c95.784,138.964) 96.3,138.964 ; v1(96.3,86.15) 96.3,139.48 X9.26@96.52,139.7 ; 96.3,137.539 cw(c98.681,137.539) X9.26@96.997,139.223 ; 96.3,137.901 cw(c98.319,137.901) X9.26@96.891,139.329 ; 96.3,138.264 cw(c97.956,138.264) X9.26@96.785,139.435 ; 96.3,138.626 cw(c97.594,138.626) X9.26@96.679,139.541
SODIMM_74_S: RA8.2 X1.74 | length 8.8
  Top Layer w0.15: RA8.2@97.806,80.369 cw(c97.507,80.07) 97.93,80.07 cw(c98.352,80.07) RA8.2@98.053,80.369 ; RA8.2@97.93,80.493 97.93,79.947 102.182,75.694 X1.74@102.182,74.516 ; X1.74@102.111,75.412 ccw(c101.941,75.583) 102.182,75.583 ccw(c102.423,75.583) X1.74@102.253,75.412